# Altium PCB CHAHARDOLI-7 ADAD METAL.PcbDoc (part 2 of 10)
Units mm, origin at the board's own origin, x right, y up, seen from the top; angles counter-clockwise.
Board outline 151 x 86.38 mm, 2 copper layers (Top Layer, Bottom Layer); 1512 components, 81 nets, 3736 pads, 768 vias.
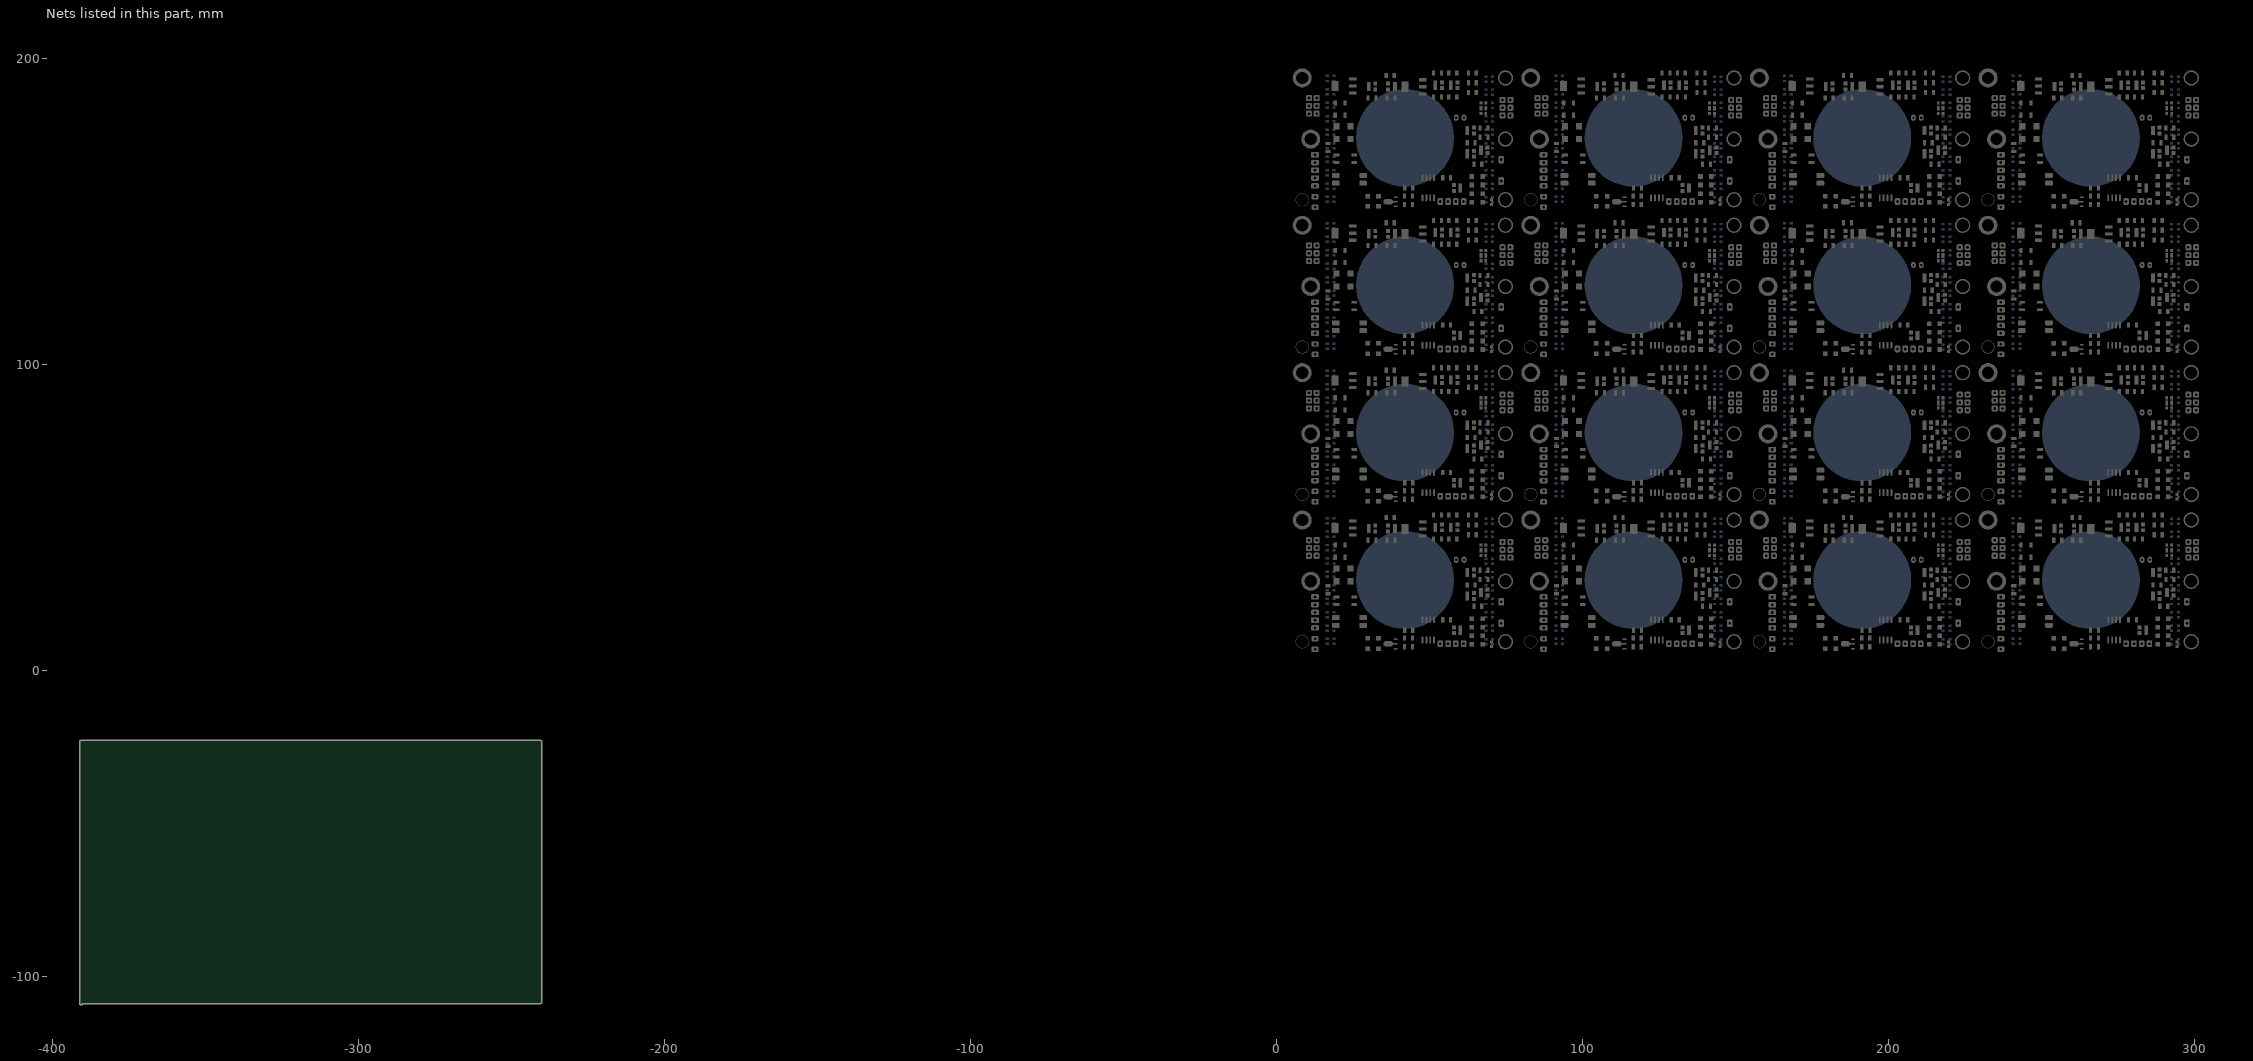
[diagram p2: the nets of this part, all layers, seen from the top]

## Components (designator, comment, footprint, x,y, rotation, side; value= is the part's Value field where it differs from the comment) (continued)
D48 "D Tunnel1" 3.2X1.6X1.1#2 289.6,14.11 r0 top
D48 "D Tunnel1" 3.2X1.6X1.1#2 289.6,62.255 r0 top
D48 "D Tunnel1" 3.2X1.6X1.1#2 289.6,110.4 r0 top
D48 "D Tunnel1" 3.2X1.6X1.1#2 289.6,158.545 r0 top
D48 "D Tunnel1" 3.2X1.6X1.1#2 214.912,158.545 r0 top
D48 "D Tunnel1" 3.2X1.6X1.1#2 214.912,110.4 r0 top
D48 "D Tunnel1" 3.2X1.6X1.1#2 214.912,62.255 r0 top
D48 "D Tunnel1" 3.2X1.6X1.1#2 214.912,14.11 r0 top
D48 "D Tunnel1" 3.2X1.6X1.1#2 140.224,158.545 r0 top
D48 "D Tunnel1" 3.2X1.6X1.1#2 140.224,110.4 r0 top
D48 "D Tunnel1" 3.2X1.6X1.1#2 140.224,62.255 r0 top
D48 "D Tunnel1" 3.2X1.6X1.1#2 140.224,14.11 r0 top
D48 "D Tunnel1" 3.2X1.6X1.1#2 65.536,158.545 r0 top
D48 "D Tunnel1" 3.2X1.6X1.1#2 65.536,110.4 r0 top
D48 "D Tunnel1" 3.2X1.6X1.1#2 65.536,62.255 r0 top
D48 "D Tunnel1" 3.2X1.6X1.1#2 65.536,14.11 r0 top
Designator95_2 "Comment" PAD#1 1.341,21.141 r0 top
Designator95_2 "Comment" PAD#2 20.452,2.796 r270 top
Designator95_2 "Comment" PAD#2 20.452,2.796 r270 top
Designator95_2 "Comment" PAD#2 20.452,2.796 r270 top
Designator95_2 "Comment" PAD#2 20.452,2.796 r270 top
Designator95_2 "Comment" PAD#1 20.452,2.796 r270 top
Designator95_2 "Comment" PAD#1 20.502,200.526 r270 top
Designator95_2 "Comment" PAD#2 2.157,181.415 r180 top
Designator95_2 "Comment" PAD#2 2.157,181.415 r180 top
Designator95_2 "Comment" PAD#2 2.157,181.415 r180 top
Designator95_2 "Comment" PAD#2 2.157,181.415 r180 top
Designator95_2 "Comment" PAD#1 2.157,181.415 r180 top
Designator95_2 "Comment" PAD#1 306.06,181.365 r180 top
Designator95_2 "Comment" PAD#2 286.949,199.71 r90 top
Designator95_2 "Comment" PAD#2 286.949,199.71 r90 top
Designator95_2 "Comment" PAD#2 286.949,199.71 r90 top
Designator95_2 "Comment" PAD#2 286.949,199.71 r90 top
Designator95_2 "Comment" PAD#1 286.949,199.71 r90 top
Designator95_2 "Comment" PAD#1 286.899,1.98 r90 top
Designator95_2 "Comment" PAD#2 305.244,21.091 r0 top
Designator95_2 "Comment" PAD#2 305.244,21.091 r0 top
Designator95_2 "Comment" PAD#2 305.244,21.091 r0 top
Designator95_2 "Comment" PAD#2 305.244,21.091 r0 top
Designator95_2 "Comment" PAD#1 305.244,21.091 r0 top
J1 "Header3X2" "HEADER 3X2" 234.6,37.43 r90 top
J1 "Header3X2" "HEADER 3X2" 234.6,85.575 r90 top
J1 "Header3X2" "HEADER 3X2" 234.6,133.72 r90 top
J1 "Header3X2" "HEADER 3X2" 234.6,181.865 r90 top
J1 "Header3X2" "HEADER 3X2" 159.912,181.865 r90 top
J1 "Header3X2" "HEADER 3X2" 159.912,133.72 r90 top
J1 "Header3X2" "HEADER 3X2" 159.912,85.575 r90 top
J1 "Header3X2" "HEADER 3X2" 159.912,37.43 r90 top
J1 "Header3X2" "HEADER 3X2" 85.224,181.865 r90 top
J1 "Header3X2" "HEADER 3X2" 85.224,133.72 r90 top
J1 "Header3X2" "HEADER 3X2" 85.224,85.575 r90 top
J1 "Header3X2" "HEADER 3X2" 85.224,37.43 r90 top
J1 "Header3X2" "HEADER 3X2" 10.536,181.865 r90 top
J1 "Header3X2" "HEADER 3X2" 10.536,133.72 r90 top
J1 "Header3X2" "HEADER 3X2" 10.536,85.575 r90 top
J1 "Header3X2" "HEADER 3X2" 10.536,37.43 r90 top
J3 "Header5X1" "HEADER 5X1" 236.6,13.83 r90 top
J3 "Header5X1" "HEADER 5X1" 236.6,61.975 r90 top
J3 "Header5X1" "HEADER 5X1" 236.6,110.12 r90 top
J3 "Header5X1" "HEADER 5X1" 236.6,158.265 r90 top
J3 "Header5X1" "HEADER 5X1" 161.912,158.265 r90 top
J3 "Header5X1" "HEADER 5X1" 161.912,110.12 r90 top
J3 "Header5X1" "HEADER 5X1" 161.912,61.975 r90 top
J3 "Header5X1" "HEADER 5X1" 161.912,13.83 r90 top
J3 "Header5X1" "HEADER 5X1" 87.224,158.265 r90 top
J3 "Header5X1" "HEADER 5X1" 87.224,110.12 r90 top
J3 "Header5X1" "HEADER 5X1" 87.224,61.975 r90 top
J3 "Header5X1" "HEADER 5X1" 87.224,13.83 r90 top
J3 "Header5X1" "HEADER 5X1" 12.536,158.265 r90 top
J3 "Header5X1" "HEADER 5X1" 12.536,110.12 r90 top
J3 "Header5X1" "HEADER 5X1" 12.536,61.975 r90 top
J3 "Header5X1" "HEADER 5X1" 12.536,13.83 r90 top
J4 "Header3X2" "HEADER 3X2" 300.4,41.91 r270 top
J4 "Header3X2" "HEADER 3X2" 300.4,90.055 r270 top
J4 "Header3X2" "HEADER 3X2" 300.4,138.2 r270 top
J4 "Header3X2" "HEADER 3X2" 300.4,186.345 r270 top
J4 "Header3X2" "HEADER 3X2" 225.712,186.345 r270 top
J4 "Header3X2" "HEADER 3X2" 225.712,138.2 r270 top
J4 "Header3X2" "HEADER 3X2" 225.712,90.055 r270 top
J4 "Header3X2" "HEADER 3X2" 225.712,41.91 r270 top
J4 "Header3X2" "HEADER 3X2" 151.024,186.345 r270 top
J4 "Header3X2" "HEADER 3X2" 151.024,138.2 r270 top
J4 "Header3X2" "HEADER 3X2" 151.024,90.055 r270 top
J4 "Header3X2" "HEADER 3X2" 151.024,41.91 r270 top
J4 "Header3X2" "HEADER 3X2" 76.336,186.345 r270 top
J4 "Header3X2" "HEADER 3X2" 76.336,138.2 r270 top
J4 "Header3X2" "HEADER 3X2" 76.336,90.055 r270 top
J4 "Header3X2" "HEADER 3X2" 76.336,41.91 r270 top
J-RF "Header4X1" "HEADER 4X1" 277.52,8.71 r0 top (schematic designator J2)
J-RF "Header4X1" "HEADER 4X1" 277.52,56.855 r0 top (schematic designator J2)
J-RF "Header4X1" "HEADER 4X1" 277.52,105 r0 top (schematic designator J2)
J-RF "Header4X1" "HEADER 4X1" 277.52,153.145 r0 top (schematic designator J2)
J-RF "Header4X1" "HEADER 4X1" 202.832,153.145 r0 top (schematic designator J2)
J-RF "Header4X1" "HEADER 4X1" 202.832,105 r0 top (schematic designator J2)
J-RF "Header4X1" "HEADER 4X1" 202.832,56.855 r0 top (schematic designator J2)
J-RF "Header4X1" "HEADER 4X1" 202.832,8.71 r0 top (schematic designator J2)
J-RF "Header4X1" "HEADER 4X1" 128.144,153.145 r0 top (schematic designator J2)
J-RF "Header4X1" "HEADER 4X1" 128.144,105 r0 top (schematic designator J2)
J-RF "Header4X1" "HEADER 4X1" 128.144,56.855 r0 top (schematic designator J2)
J-RF "Header4X1" "HEADER 4X1" 128.144,8.71 r0 top (schematic designator J2)
J-RF "Header4X1" "HEADER 4X1" 53.456,153.145 r0 top (schematic designator J2)
J-RF "Header4X1" "HEADER 4X1" 53.456,105 r0 top (schematic designator J2)
J-RF "Header4X1" "HEADER 4X1" 53.456,56.855 r0 top (schematic designator J2)
J-RF "Header4X1" "HEADER 4X1" 53.456,8.71 r0 top (schematic designator J2)
JP2 "Jumper Selector" "Jumper Selector"#1 292.4,41.69 r270 top
JP2 "Jumper Selector" "Jumper Selector"#1 292.4,89.835 r270 top
JP2 "Jumper Selector" "Jumper Selector"#1 292.4,137.98 r270 top
JP2 "Jumper Selector" "Jumper Selector"#1 292.4,186.125 r270 top
JP2 "Jumper Selector" "Jumper Selector"#1 217.712,186.125 r270 top
JP2 "Jumper Selector" "Jumper Selector"#1 217.712,137.98 r270 top
JP2 "Jumper Selector" "Jumper Selector"#1 217.712,89.835 r270 top
JP2 "Jumper Selector" "Jumper Selector"#1 217.712,41.69 r270 top
JP2 "Jumper Selector" "Jumper Selector"#1 143.024,186.125 r270 top
JP2 "Jumper Selector" "Jumper Selector"#1 143.024,137.98 r270 top
JP2 "Jumper Selector" "Jumper Selector"#1 143.024,89.835 r270 top
JP2 "Jumper Selector" "Jumper Selector"#1 143.024,41.69 r270 top
JP2 "Jumper Selector" "Jumper Selector"#1 68.336,186.125 r270 top
JP2 "Jumper Selector" "Jumper Selector"#1 68.336,137.98 r270 top
JP2 "Jumper Selector" "Jumper Selector"#1 68.336,89.835 r270 top
JP2 "Jumper Selector" "Jumper Selector"#1 68.336,41.69 r270 top
JP3 "Jumper Selector" "Jumper Selector"#2 290.8,41.75 r270 top
JP3 "Jumper Selector" "Jumper Selector"#2 290.8,89.895 r270 top
JP3 "Jumper Selector" "Jumper Selector"#2 290.8,138.04 r270 top
JP3 "Jumper Selector" "Jumper Selector"#2 290.8,186.185 r270 top
JP3 "Jumper Selector" "Jumper Selector"#2 216.112,186.185 r270 top
JP3 "Jumper Selector" "Jumper Selector"#2 216.112,138.04 r270 top
JP3 "Jumper Selector" "Jumper Selector"#2 216.112,89.895 r270 top
JP3 "Jumper Selector" "Jumper Selector"#2 216.112,41.75 r270 top
JP3 "Jumper Selector" "Jumper Selector"#2 141.424,186.185 r270 top
JP3 "Jumper Selector" "Jumper Selector"#2 141.424,138.04 r270 top
JP3 "Jumper Selector" "Jumper Selector"#2 141.424,89.895 r270 top
JP3 "Jumper Selector" "Jumper Selector"#2 141.424,41.75 r270 top
JP3 "Jumper Selector" "Jumper Selector"#2 66.736,186.185 r270 top
JP3 "Jumper Selector" "Jumper Selector"#2 66.736,138.04 r270 top
JP3 "Jumper Selector" "Jumper Selector"#2 66.736,89.895 r270 top
JP3 "Jumper Selector" "Jumper Selector"#2 66.736,41.75 r270 top
JP-Buzzer "Jumper" "Header 2X1" 294.2,8.51 r270 top (schematic designator JP1)
JP-Buzzer "Jumper" "Header 2X1" 294.2,56.655 r270 top (schematic designator JP1)
JP-Buzzer "Jumper" "Header 2X1" 294.2,104.8 r270 top (schematic designator JP1)
JP-Buzzer "Jumper" "Header 2X1" 294.2,152.945 r270 top (schematic designator JP1)
JP-Buzzer "Jumper" "Header 2X1" 219.512,152.945 r270 top (schematic designator JP1)
JP-Buzzer "Jumper" "Header 2X1" 219.512,104.8 r270 top (schematic designator JP1)
JP-Buzzer "Jumper" "Header 2X1" 219.512,56.655 r270 top (schematic designator JP1)
JP-Buzzer "Jumper" "Header 2X1" 219.512,8.51 r270 top (schematic designator JP1)
JP-Buzzer "Jumper" "Header 2X1" 144.824,152.945 r270 top (schematic designator JP1)
JP-Buzzer "Jumper" "Header 2X1" 144.824,104.8 r270 top (schematic designator JP1)
JP-Buzzer "Jumper" "Header 2X1" 144.824,56.655 r270 top (schematic designator JP1)
JP-Buzzer "Jumper" "Header 2X1" 144.824,8.51 r270 top (schematic designator JP1)
JP-Buzzer "Jumper" "Header 2X1" 70.136,152.945 r270 top (schematic designator JP1)
JP-Buzzer "Jumper" "Header 2X1" 70.136,104.8 r270 top (schematic designator JP1)
JP-Buzzer "Jumper" "Header 2X1" 70.136,56.655 r270 top (schematic designator JP1)
JP-Buzzer "Jumper" "Header 2X1" 70.136,8.51 r270 top (schematic designator JP1)
Q1 "MOSFET-P4" SOT223_N 246,46.51 r180 top
Q1 "MOSFET-P4" SOT223_N 246,94.655 r180 top
Q1 "MOSFET-P4" SOT223_N 246,142.8 r180 top
Q1 "MOSFET-P4" SOT223_N 246,190.945 r180 top
Q1 "MOSFET-P4" SOT223_N 171.312,190.945 r180 top
Q1 "MOSFET-P4" SOT223_N 171.312,142.8 r180 top
Q1 "MOSFET-P4" SOT223_N 171.312,94.655 r180 top
Q1 "MOSFET-P4" SOT223_N 171.312,46.51 r180 top
Q1 "MOSFET-P4" SOT223_N 96.624,190.945 r180 top
Q1 "MOSFET-P4" SOT223_N 96.624,142.8 r180 top
Q1 "MOSFET-P4" SOT223_N 96.624,94.655 r180 top
Q1 "MOSFET-P4" SOT223_N 96.624,46.51 r180 top
Q1 "MOSFET-P4" SOT223_N 21.936,190.945 r180 top
Q1 "MOSFET-P4" SOT223_N 21.936,142.8 r180 top
Q1 "MOSFET-P4" SOT223_N 21.936,94.655 r180 top
Q1 "MOSFET-P4" SOT223_N 21.936,46.51 r180 top
Q2 "PNP" SOT-23B_N 261.6,46.31 r0 top
Q2 "PNP" SOT-23B_N 261.6,94.455 r0 top
Q2 "PNP" SOT-23B_N 261.6,142.6 r0 top
Q2 "PNP" SOT-23B_N 261.6,190.745 r0 top
Q2 "PNP" SOT-23B_N 186.912,190.745 r0 top
Q2 "PNP" SOT-23B_N 186.912,142.6 r0 top
Q2 "PNP" SOT-23B_N 186.912,94.455 r0 top
Q2 "PNP" SOT-23B_N 186.912,46.31 r0 top
Q2 "PNP" SOT-23B_N 112.224,190.745 r0 top
Q2 "PNP" SOT-23B_N 112.224,142.6 r0 top
Q2 "PNP" SOT-23B_N 112.224,94.455 r0 top
Q2 "PNP" SOT-23B_N 112.224,46.31 r0 top
Q2 "PNP" SOT-23B_N 37.536,190.745 r0 top
Q2 "PNP" SOT-23B_N 37.536,142.6 r0 top
Q2 "PNP" SOT-23B_N 37.536,94.455 r0 top
Q2 "PNP" SOT-23B_N 37.536,46.31 r0 top
Q3 "QNPN" SOT-23B_L 255.2,46.31 r180 top
Q3 "QNPN" SOT-23B_L 255.2,94.455 r180 top
Q3 "QNPN" SOT-23B_L 255.2,142.6 r180 top
Q3 "QNPN" SOT-23B_L 255.2,190.745 r180 top
Q3 "QNPN" SOT-23B_L 180.512,190.745 r180 top
Q3 "QNPN" SOT-23B_L 180.512,142.6 r180 top
Q3 "QNPN" SOT-23B_L 180.512,94.455 r180 top
Q3 "QNPN" SOT-23B_L 180.512,46.31 r180 top
Q3 "QNPN" SOT-23B_L 105.824,190.745 r180 top
Q3 "QNPN" SOT-23B_L 105.824,142.6 r180 top
Q3 "QNPN" SOT-23B_L 105.824,94.455 r180 top
Q3 "QNPN" SOT-23B_L 105.824,46.31 r180 top
Q3 "QNPN" SOT-23B_L 31.136,190.745 r180 top
Q3 "QNPN" SOT-23B_L 31.136,142.6 r180 top
Q3 "QNPN" SOT-23B_L 31.136,94.455 r180 top
Q3 "QNPN" SOT-23B_L 31.136,46.31 r180 top
Q4 "MOSFET-P4" SOT223_N 268.9,46.21 r180 top
Q4 "MOSFET-P4" SOT223_N 268.9,94.355 r180 top
Q4 "MOSFET-P4" SOT223_N 268.9,142.5 r180 top
Q4 "MOSFET-P4" SOT223_N 268.9,190.645 r180 top
Q4 "MOSFET-P4" SOT223_N 194.212,190.645 r180 top
Q4 "MOSFET-P4" SOT223_N 194.212,142.5 r180 top
Q4 "MOSFET-P4" SOT223_N 194.212,94.355 r180 top
Q4 "MOSFET-P4" SOT223_N 194.212,46.21 r180 top
Q4 "MOSFET-P4" SOT223_N 119.524,190.645 r180 top
Q4 "MOSFET-P4" SOT223_N 119.524,142.5 r180 top
Q4 "MOSFET-P4" SOT223_N 119.524,94.355 r180 top
Q4 "MOSFET-P4" SOT223_N 119.524,46.21 r180 top
Q4 "MOSFET-P4" SOT223_N 44.836,190.645 r180 top
Q4 "MOSFET-P4" SOT223_N 44.836,142.5 r180 top
Q4 "MOSFET-P4" SOT223_N 44.836,94.355 r180 top
Q4 "MOSFET-P4" SOT223_N 44.836,46.21 r180 top
Q5 "QNPN" SOT-23B_L 282,46.71 r180 top
Q5 "QNPN" SOT-23B_L 282,94.855 r180 top
Q5 "QNPN" SOT-23B_L 282,143 r180 top
Q5 "QNPN" SOT-23B_L 282,191.145 r180 top
Q5 "QNPN" SOT-23B_L 207.312,191.145 r180 top
Q5 "QNPN" SOT-23B_L 207.312,143 r180 top
Q5 "QNPN" SOT-23B_L 207.312,94.855 r180 top
Q5 "QNPN" SOT-23B_L 207.312,46.71 r180 top
Q5 "QNPN" SOT-23B_L 132.624,191.145 r180 top
Q5 "QNPN" SOT-23B_L 132.624,143 r180 top
Q5 "QNPN" SOT-23B_L 132.624,94.855 r180 top
Q5 "QNPN" SOT-23B_L 132.624,46.71 r180 top
Q5 "QNPN" SOT-23B_L 57.936,191.145 r180 top
Q5 "QNPN" SOT-23B_L 57.936,143 r180 top
Q5 "QNPN" SOT-23B_L 57.936,94.855 r180 top
Q5 "QNPN" SOT-23B_L 57.936,46.71 r180 top
Q6 "QNPN" SOT-23B_L 277,46.71 r180 top
Q6 "QNPN" SOT-23B_L 277,94.855 r180 top
Q6 "QNPN" SOT-23B_L 277,143 r180 top
Q6 "QNPN" SOT-23B_L 277,191.145 r180 top
Q6 "QNPN" SOT-23B_L 202.312,191.145 r180 top
Q6 "QNPN" SOT-23B_L 202.312,143 r180 top
Q6 "QNPN" SOT-23B_L 202.312,94.855 r180 top
Q6 "QNPN" SOT-23B_L 202.312,46.71 r180 top
Q6 "QNPN" SOT-23B_L 127.624,191.145 r180 top
Q6 "QNPN" SOT-23B_L 127.624,143 r180 top
Q6 "QNPN" SOT-23B_L 127.624,94.855 r180 top
Q6 "QNPN" SOT-23B_L 127.624,46.71 r180 top
Q6 "QNPN" SOT-23B_L 52.936,191.145 r180 top
Q6 "QNPN" SOT-23B_L 52.936,143 r180 top
Q6 "QNPN" SOT-23B_L 52.936,94.855 r180 top
Q6 "QNPN" SOT-23B_L 52.936,46.71 r180 top
Q7 "QNPN" SOT-23B_L 283,13.11 r0 top
Q7 "QNPN" SOT-23B_L 283,61.255 r0 top
Q7 "QNPN" SOT-23B_L 283,109.4 r0 top
Q7 "QNPN" SOT-23B_L 283,157.545 r0 top
Q7 "QNPN" SOT-23B_L 208.312,157.545 r0 top
Q7 "QNPN" SOT-23B_L 208.312,109.4 r0 top
Q7 "QNPN" SOT-23B_L 208.312,61.255 r0 top
Q7 "QNPN" SOT-23B_L 208.312,13.11 r0 top
Q7 "QNPN" SOT-23B_L 133.624,157.545 r0 top
Q7 "QNPN" SOT-23B_L 133.624,109.4 r0 top
Q7 "QNPN" SOT-23B_L 133.624,61.255 r0 top
Q7 "QNPN" SOT-23B_L 133.624,13.11 r0 top
Q7 "QNPN" SOT-23B_L 58.936,157.545 r0 top
Q7 "QNPN" SOT-23B_L 58.936,109.4 r0 top
Q7 "QNPN" SOT-23B_L 58.936,61.255 r0 top
Q7 "QNPN" SOT-23B_L 58.936,13.11 r0 top
Q8 "QNPN" SOT-23B_L 287.4,31.91 r180 top
Q8 "QNPN" SOT-23B_L 287.4,80.055 r180 top
Q8 "QNPN" SOT-23B_L 287.4,128.2 r180 top
Q8 "QNPN" SOT-23B_L 287.4,176.345 r180 top
Q8 "QNPN" SOT-23B_L 212.712,176.345 r180 top
Q8 "QNPN" SOT-23B_L 212.712,128.2 r180 top
Q8 "QNPN" SOT-23B_L 212.712,80.055 r180 top
Q8 "QNPN" SOT-23B_L 212.712,31.91 r180 top
Q8 "QNPN" SOT-23B_L 138.024,176.345 r180 top
Q8 "QNPN" SOT-23B_L 138.024,128.2 r180 top
Q8 "QNPN" SOT-23B_L 138.024,80.055 r180 top
Q8 "QNPN" SOT-23B_L 138.024,31.91 r180 top
Q8 "QNPN" SOT-23B_L 63.336,176.345 r180 top
Q8 "QNPN" SOT-23B_L 63.336,128.2 r180 top
Q8 "QNPN" SOT-23B_L 63.336,80.055 r180 top
Q8 "QNPN" SOT-23B_L 63.336,31.91 r180 top
Q9 "QNPN" SOT-23B_L 287.4,24.31 r180 top
Q9 "QNPN" SOT-23B_L 287.4,72.455 r180 top
Q9 "QNPN" SOT-23B_L 287.4,120.6 r180 top
Q9 "QNPN" SOT-23B_L 287.4,168.745 r180 top
Q9 "QNPN" SOT-23B_L 212.712,168.745 r180 top
Q9 "QNPN" SOT-23B_L 212.712,120.6 r180 top
Q9 "QNPN" SOT-23B_L 212.712,72.455 r180 top
Q9 "QNPN" SOT-23B_L 212.712,24.31 r180 top
Q9 "QNPN" SOT-23B_L 138.024,168.745 r180 top
Q9 "QNPN" SOT-23B_L 138.024,120.6 r180 top
Q9 "QNPN" SOT-23B_L 138.024,72.455 r180 top
Q9 "QNPN" SOT-23B_L 138.024,24.31 r180 top
Q9 "QNPN" SOT-23B_L 63.336,168.745 r180 top
Q9 "QNPN" SOT-23B_L 63.336,120.6 r180 top
Q9 "QNPN" SOT-23B_L 63.336,72.455 r180 top
Q9 "QNPN" SOT-23B_L 63.336,24.31 r180 top
Q10 "QNPN" SOT-23B_L 291.925,25.46 r180 top
Q10 "QNPN" SOT-23B_L 291.925,73.605 r180 top
Q10 "QNPN" SOT-23B_L 291.925,121.75 r180 top
Q10 "QNPN" SOT-23B_L 291.925,169.895 r180 top
Q10 "QNPN" SOT-23B_L 217.237,169.895 r180 top
Q10 "QNPN" SOT-23B_L 217.237,121.75 r180 top
Q10 "QNPN" SOT-23B_L 217.237,73.605 r180 top
Q10 "QNPN" SOT-23B_L 217.237,25.46 r180 top
Q10 "QNPN" SOT-23B_L 142.549,169.895 r180 top
Q10 "QNPN" SOT-23B_L 142.549,121.75 r180 top
Q10 "QNPN" SOT-23B_L 142.549,73.605 r180 top
Q10 "QNPN" SOT-23B_L 142.549,25.46 r180 top
Q10 "QNPN" SOT-23B_L 67.861,169.895 r180 top
Q10 "QNPN" SOT-23B_L 67.861,121.75 r180 top
Q10 "QNPN" SOT-23B_L 67.861,73.605 r180 top
Q10 "QNPN" SOT-23B_L 67.861,25.46 r180 top
R1 "10K" "RES 1206 (3216X08L)"#1 255.2,42.51 r180 top
R1 "10K" "RES 1206 (3216X08L)"#1 255.2,90.655 r180 top
R1 "10K" "RES 1206 (3216X08L)"#1 255.2,138.8 r180 top
R1 "10K" "RES 1206 (3216X08L)"#1 255.2,186.945 r180 top
R1 "10K" "RES 1206 (3216X08L)"#1 180.512,186.945 r180 top
R1 "10K" "RES 1206 (3216X08L)"#1 180.512,138.8 r180 top
R1 "10K" "RES 1206 (3216X08L)"#1 180.512,90.655 r180 top
R1 "10K" "RES 1206 (3216X08L)"#1 180.512,42.51 r180 top
R1 "10K" "RES 1206 (3216X08L)"#1 105.824,186.945 r180 top
R1 "10K" "RES 1206 (3216X08L)"#1 105.824,138.8 r180 top
R1 "10K" "RES 1206 (3216X08L)"#1 105.824,90.655 r180 top
R1 "10K" "RES 1206 (3216X08L)"#1 105.824,42.51 r180 top
R1 "10K" "RES 1206 (3216X08L)"#1 31.136,186.945 r180 top
R1 "10K" "RES 1206 (3216X08L)"#1 31.136,138.8 r180 top
R1 "10K" "RES 1206 (3216X08L)"#1 31.136,90.655 r180 top
R1 "10K" "RES 1206 (3216X08L)"#1 31.136,42.51 r180 top
R2 "10K" "RES 1206 (3216X08L)"#1 261.2,49.91 r180 top
R2 "10K" "RES 1206 (3216X08L)"#1 261.2,98.055 r180 top
R2 "10K" "RES 1206 (3216X08L)"#1 261.2,146.2 r180 top
R2 "10K" "RES 1206 (3216X08L)"#1 261.2,194.345 r180 top
R2 "10K" "RES 1206 (3216X08L)"#1 186.512,194.345 r180 top
R2 "10K" "RES 1206 (3216X08L)"#1 186.512,146.2 r180 top
R2 "10K" "RES 1206 (3216X08L)"#1 186.512,98.055 r180 top
R2 "10K" "RES 1206 (3216X08L)"#1 186.512,49.91 r180 top
R2 "10K" "RES 1206 (3216X08L)"#1 111.824,194.345 r180 top
R2 "10K" "RES 1206 (3216X08L)"#1 111.824,146.2 r180 top
R2 "10K" "RES 1206 (3216X08L)"#1 111.824,98.055 r180 top
R2 "10K" "RES 1206 (3216X08L)"#1 111.824,49.91 r180 top
R2 "10K" "RES 1206 (3216X08L)"#1 37.136,194.345 r180 top
R2 "10K" "RES 1206 (3216X08L)"#1 37.136,146.2 r180 top
R2 "10K" "RES 1206 (3216X08L)"#1 37.136,98.055 r180 top
R2 "10K" "RES 1206 (3216X08L)"#1 37.136,49.91 r180 top
R3 "10K" "RES 1206 (3216X08L)"#1 261.4,42.51 r180 top
R3 "10K" "RES 1206 (3216X08L)"#1 261.4,90.655 r180 top
R3 "10K" "RES 1206 (3216X08L)"#1 261.4,138.8 r180 top
R3 "10K" "RES 1206 (3216X08L)"#1 261.4,186.945 r180 top
R3 "10K" "RES 1206 (3216X08L)"#1 186.712,186.945 r180 top
R3 "10K" "RES 1206 (3216X08L)"#1 186.712,138.8 r180 top
R3 "10K" "RES 1206 (3216X08L)"#1 186.712,90.655 r180 top
R3 "10K" "RES 1206 (3216X08L)"#1 186.712,42.51 r180 top
R3 "10K" "RES 1206 (3216X08L)"#1 112.024,186.945 r180 top
R3 "10K" "RES 1206 (3216X08L)"#1 112.024,138.8 r180 top
R3 "10K" "RES 1206 (3216X08L)"#1 112.024,90.655 r180 top
R3 "10K" "RES 1206 (3216X08L)"#1 112.024,42.51 r180 top
R3 "10K" "RES 1206 (3216X08L)"#1 37.336,186.945 r180 top
R3 "10K" "RES 1206 (3216X08L)"#1 37.336,138.8 r180 top
R3 "10K" "RES 1206 (3216X08L)"#1 37.336,90.655 r180 top
R3 "10K" "RES 1206 (3216X08L)"#1 37.336,42.51 r180 top
R4 "10K" "RES 1206 (3216X08L)"#1 281.6,42.91 r0 top
R4 "10K" "RES 1206 (3216X08L)"#1 281.6,91.055 r0 top
R4 "10K" "RES 1206 (3216X08L)"#1 281.6,139.2 r0 top
R4 "10K" "RES 1206 (3216X08L)"#1 281.6,187.345 r0 top
R4 "10K" "RES 1206 (3216X08L)"#1 206.912,187.345 r0 top
R4 "10K" "RES 1206 (3216X08L)"#1 206.912,139.2 r0 top
R4 "10K" "RES 1206 (3216X08L)"#1 206.912,91.055 r0 top
R4 "10K" "RES 1206 (3216X08L)"#1 206.912,42.91 r0 top
R4 "10K" "RES 1206 (3216X08L)"#1 132.224,187.345 r0 top
R4 "10K" "RES 1206 (3216X08L)"#1 132.224,139.2 r0 top
R4 "10K" "RES 1206 (3216X08L)"#1 132.224,91.055 r0 top
R4 "10K" "RES 1206 (3216X08L)"#1 132.224,42.91 r0 top
R4 "10K" "RES 1206 (3216X08L)"#1 57.536,187.345 r0 top
R4 "10K" "RES 1206 (3216X08L)"#1 57.536,139.2 r0 top
R4 "10K" "RES 1206 (3216X08L)"#1 57.536,91.055 r0 top
R4 "10K" "RES 1206 (3216X08L)"#1 57.536,42.91 r0 top
R5 "10K" "RES 1206 (3216X08L)"#1 281.6,50.71 r180 top
R5 "10K" "RES 1206 (3216X08L)"#1 281.6,98.855 r180 top
R5 "10K" "RES 1206 (3216X08L)"#1 281.6,147 r180 top
R5 "10K" "RES 1206 (3216X08L)"#1 281.6,195.145 r180 top
R5 "10K" "RES 1206 (3216X08L)"#1 206.912,195.145 r180 top
R5 "10K" "RES 1206 (3216X08L)"#1 206.912,147 r180 top
R5 "10K" "RES 1206 (3216X08L)"#1 206.912,98.855 r180 top
R5 "10K" "RES 1206 (3216X08L)"#1 206.912,50.71 r180 top
R5 "10K" "RES 1206 (3216X08L)"#1 132.224,195.145 r180 top
R5 "10K" "RES 1206 (3216X08L)"#1 132.224,147 r180 top
R5 "10K" "RES 1206 (3216X08L)"#1 132.224,98.855 r180 top
R5 "10K" "RES 1206 (3216X08L)"#1 132.224,50.71 r180 top
R5 "10K" "RES 1206 (3216X08L)"#1 57.536,195.145 r180 top
R5 "10K" "RES 1206 (3216X08L)"#1 57.536,147 r180 top
R5 "10K" "RES 1206 (3216X08L)"#1 57.536,98.855 r180 top
R5 "10K" "RES 1206 (3216X08L)"#1 57.536,50.71 r180 top
R6 "10K" "RES 1206 (3216X08L)"#1 276.6,50.71 r180 top
R6 "10K" "RES 1206 (3216X08L)"#1 276.6,98.855 r180 top
R6 "10K" "RES 1206 (3216X08L)"#1 276.6,147 r180 top
R6 "10K" "RES 1206 (3216X08L)"#1 276.6,195.145 r180 top
R6 "10K" "RES 1206 (3216X08L)"#1 201.912,195.145 r180 top
R6 "10K" "RES 1206 (3216X08L)"#1 201.912,147 r180 top
R6 "10K" "RES 1206 (3216X08L)"#1 201.912,98.855 r180 top
R6 "10K" "RES 1206 (3216X08L)"#1 201.912,50.71 r180 top
R6 "10K" "RES 1206 (3216X08L)"#1 127.224,195.145 r180 top
R6 "10K" "RES 1206 (3216X08L)"#1 127.224,147 r180 top
R6 "10K" "RES 1206 (3216X08L)"#1 127.224,98.855 r180 top
R6 "10K" "RES 1206 (3216X08L)"#1 127.224,50.71 r180 top
R6 "10K" "RES 1206 (3216X08L)"#1 52.536,195.145 r180 top
R6 "10K" "RES 1206 (3216X08L)"#1 52.536,147 r180 top
R6 "10K" "RES 1206 (3216X08L)"#1 52.536,98.855 r180 top
R6 "10K" "RES 1206 (3216X08L)"#1 52.536,50.71 r180 top